# Altium PCB SG1.PcbDoc (part 1 of 3) (continued)
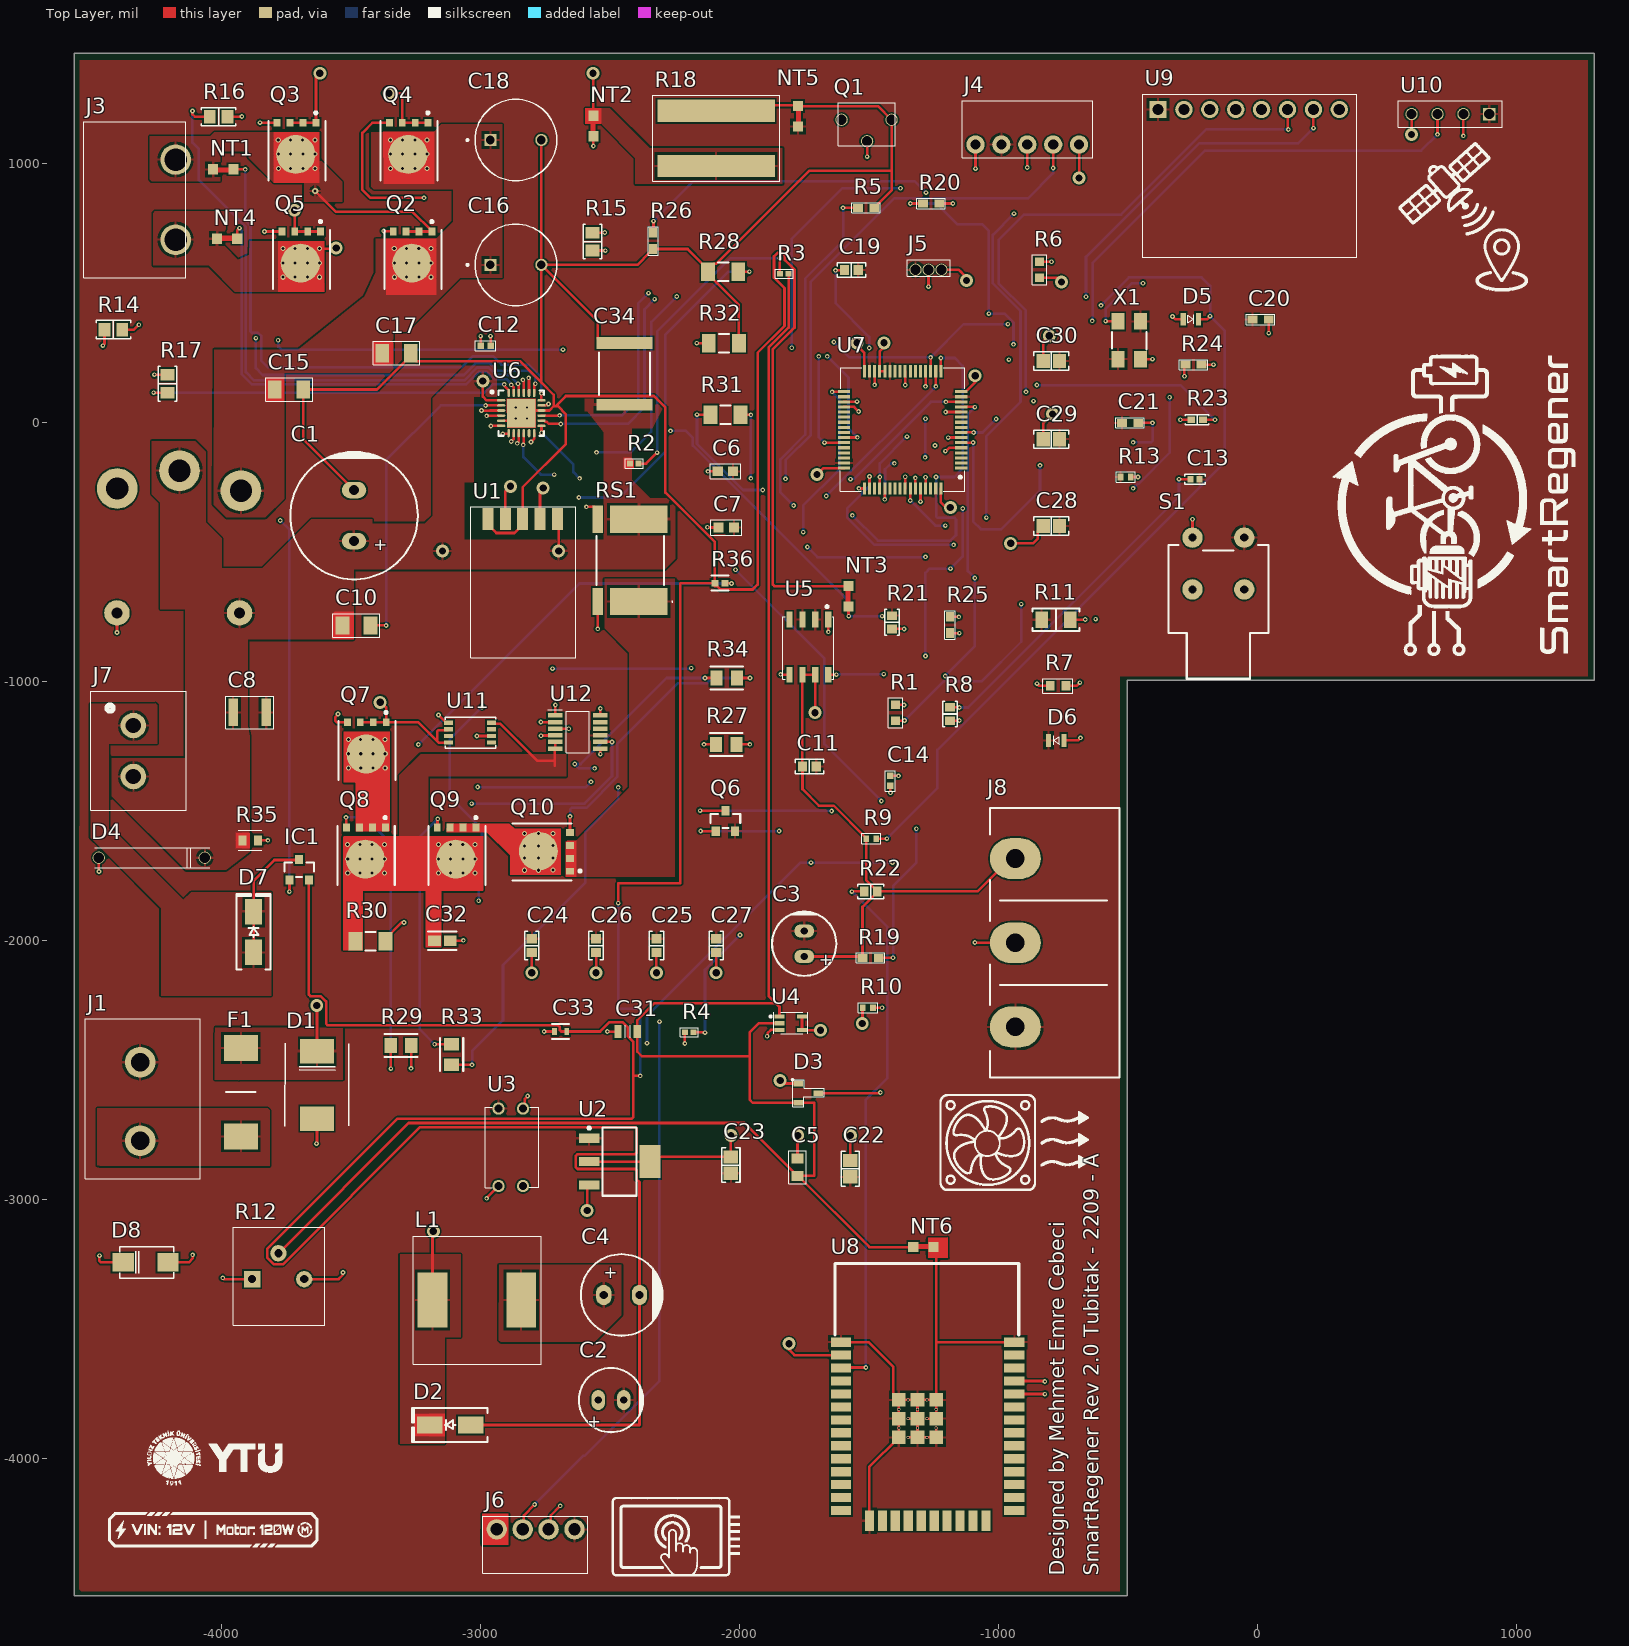
[diagram p0: Top Layer view]
## Footprints (in the part's own frame and the unit in brackets; to place one, negate y for a bottom-side part, rotate by r counter-clockwise, add the part's x,y. Pads: shape width x height; smd on the part's side, far side on the other; paste and mask are expansions set on the pad) (continued)
ECS [mm]
  rect 1.6x1.25 smd mask+0.05: 1(-1.85,-1.1) 2(1.85,-1.1) 3(1.85,1.1) 4(-1.85,1.1)
  silkscreen extent -0.9,-1.7 0.8,1.7, body extent -2.5,-1.6 2.5,1.6, height 0.85
ESP32-32 [mm]
  rect 2x0.9 smd mask+0.05: 1(-8.608,5.555) 2(-8.608,4.285) 3(-8.608,3.015) 4(-8.608,1.745) 5(-8.608,0.475) 6(-8.608,-0.795) 7(-8.608,-2.065) 8(-8.608,-3.335) 9(-8.608,-4.605) 10(-8.608,-5.875) 11(-8.608,-7.145) 12(-8.608,-8.415) 13(-8.608,-9.685) 14(-8.608,-10.955) 25(8.393,-10.955) 26(8.393,-9.685) 27(8.393,-8.415) 28(8.393,-7.145) 29(8.393,-5.875) 30(8.393,-4.605) 31(8.393,-3.335) 32(8.393,-2.065) 33(8.393,-0.795) 34(8.393,0.475) 35(8.393,1.745) 36(8.393,3.015) 37(8.393,4.285) 38(8.393,5.555)
  rect 0.9x2 smd mask+0.05: 15(-5.823,-11.955) 16(-4.553,-11.955) 17(-3.283,-11.955) 18(-2.013,-11.955) 19(-0.743,-11.955) 20(0.527,-11.955) 21(1.797,-11.955) 22(3.067,-11.955) 23(4.337,-11.955) 24(5.607,-11.955)
  rect 1.33x1.33 smd mask+0.05: 39(-2.943,-3.78) 39(-2.943,-1.945) 39(-2.943,-0.11) 39(-1.108,-3.78) 39(-1.108,-1.945) 39(-1.108,-0.11) 39(0.727,-3.78) 39(0.727,-1.945) 39(0.727,-0.11)
  round 0.3 hole 0.2 mask+0.05: 39(-2.943,-2.862) 39(-2.943,-1.027) 39(-2.025,-3.78) 39(-2.025,-1.945) 39(-2.025,-0.11) 39(-1.108,-2.862) 39(-1.108,-1.027) 39(-0.19,-3.78) 39(-0.19,-1.945) 39(-0.19,-0.11) 39(0.727,-2.862) 39(0.727,-1.027)
  silkscreen extent -9.18,6.26 8.82,13.26, body extent -9.08,-12.3 8.82,13.1, height 2.61
HK15F-DC24V-S-K [mm]
  round 4 hole 2.2 mask+0.05: 1(5.225,-6.06) 3(5.005,6.08) 4(6.975,0.05)
  round 2.5 hole 1.1 mask+0.05: 2(-6.975,-6.08) 5(-6.975,5.94)
  silkscreen extent -9.97,-8.56 10.03,8.44, body extent -9.96,-8.06 10.04,7.94, height 2
INA240A1DR [mm]
  rect 1.55x0.6 smd mask+0.05: 1(-2.37,2.025) 2(-2.37,0.755) 3(-2.37,-0.515) 4(-2.37,-1.785) 5(3.03,-1.785) 6(3.03,-0.515) 7(3.03,0.755) 8(3.03,2.025)
  silkscreen extent -3.74,-2.43 3.48,2.57, body extent -2.59,-2.35 3.4,2.56, height 1.75
KRL11050-C-R005-F-T1 [mm]
  rect 11.5x2.2 smd mask+0.05: 1(0,2.7) 2(0,-2.7)
  silkscreen extent -6.24,-4.17 6.24,4.22, body extent -5.48,-2.55 5.52,2.45, height 0.7
LED_0805 [mm] "LTST-C170KRKT, LTST-C171GKT"
  rect 0.5x1.25 smd mask+0.05: 1(-0.749,0) 2(0.749,0)
  silkscreen extent -0.26,-0.45 0.3,0.44, body extent -1,-0.63 1,0.62, height 1.1
LM2596 [mm] "LM2596 SIMPLE SWITCHER® Power Converter 150-kHz / 3-A Step-Down Voltage Regulator"
  rect 2.16x1.07 smd mask+0.05: 1(0,3.4) 2(0,1.7) 3(0,0) 4(0,-1.7) 5(0,-3.4)
  silkscreen extent -1.2,-5.1 13.6,5.2, body extent -0.84,-5.03 13.52,5.13, height 4.65
LMT86DCKT [mm]
  rect 0.95x0.4 smd mask+0.05: 1(-1.1,0.65) 2(-1.1,0) 3(-1.1,-0.65) 4(1.1,-0.65) 5(1.1,0.65)
  silkscreen extent -2.07,-1.05 1.67,1.07, body extent -0.97,-0.96 1.13,1.04, height 1.1
MPU6050 [mm]
  round 1.7 hole 1.1 paste-2539.97 mask+0.05: 1(0,8.89) 2(0,6.35) 3(0,3.81) 4(0,1.27) 5(0,-1.27) 6(0,-3.81) 7(0,-6.35)
  rect 1.7x1.7 hole 1.1 paste-2539.97 mask+0.05: 8(0,-8.89)
  silkscreen extent -1.5,-10.42 14.5,10.59, body extent -1.29,-10.13 1.21,10.3, height 5.48
MSOP-8 [mm] "LTC4359IMS8#PBF"
  rect 0.889x0.42 smd paste-2539.97 mask+0.05: 1(-2.105,0.975) 2(-2.105,0.325) 3(-2.105,-0.325) 4(-2.105,-0.975) 5(2.105,-0.975) 6(2.105,-0.325) 7(2.105,0.325) 8(2.105,0.975)
  silkscreen extent -2.45,-1.52 2.51,1.52, body extent -2.42,-1.47 2.48,1.53, height 1.15
MSOP-12 [mm] "LT4363IMS-2#PBF"
  rect 1.425x0.45 smd: 1(-2.187,1.625) 2(-2.187,0.975) 3(-2.187,0.325) 4(-2.187,-0.325) 5(-2.187,-0.975) 6(-2.187,-1.625) 7(2.237,-1.625) 8(2.237,-0.975) 9(2.237,-0.325) 10(2.237,0.325) 11(2.237,0.975) 12(2.237,1.625)
  silkscreen extent -2.9,-2.02 1.18,2.2, body extent -2.42,-2.02 2.48,2.02, height 0.93
"Neo - 7M" [mm]
  round 1.2 hole 1 mask+0.05: 1(0,3.81) 2(0,1.27) 3(0,-1.27)
  rect 1.2x1.2 hole 1 mask+0.05: 4(0,-3.81)
  silkscreen extent -1.3,-5.1 1.3,5.1, body extent -1.27,-5.08 1.27,5.08, height 6
Net-Tie [mm]
  rect 1x1 smd mask+0.05: 1(0,0) 2(2,0)
  Top Layer region: 0.2,-0.2 1.8,-0.2 1.8,0.3 0.2,0.3
Nextion [mm]
  round 2 hole 1.2 mask+0.05: 1(-3.81,0) 2(-1.27,0) 3(1.27,0) 4(3.81,0)
  silkscreen extent -5.2,-4.3 5.1,1.3, body extent -5.12,-4.25 5.05,1.25, height 4.82
"NKK AB11AH-HA" [mm]
  round 2 hole 0.8: 1(2.54,-5.08) 2(2.54,0) 3(-2.54,-5.08) 4(-2.54,0)
  silkscreen extent -4.9,-4.34 4.9,8.76, body extent -4.9,-5.39 4.9,15.08, height 7.06
PC817 [mm]
  round 1.2 hole 0.8 mask+0.05: 1(-3.8,1.2) 2(-3.8,-1.2) 3(3.8,-1.2) 4(3.8,1.2)
  silkscreen extent -3.95,-2.51 3.94,2.73, body extent -3.94,-2.2 3.94,2.4, height 4.3
"RCAP, 8x20mm -EEU-FR1V471LB" [mm] "RCAP, 8x20mm - Panasonic"
  round 1.2 hole 0.85 mask+0.05: N(2.5,0)
  rect 1.2x1.2 hole 0.85 mask+0.05: P(-2.5,0)
  silkscreen extent -4.85,-4 4,4, body extent -4,-3.99 4,3.99, height 20
RES0402 [mm] "Chip Resistor, 2-Leads, Body 1,00x0,50mm, IPC Medium Density  CRCW040213K3FKED, CRCW04021K00JNED, CRCW04021K00FKED"
  rect 0.6x0.55 smd mask+0.05: 1(-0.425,0) 2(0.425,0)
  silkscreen extent -0.9,-0.44 0.89,0.45, body extent -0.53,-0.27 0.53,0.28, height 0.4
"RES0402 - ERJ-2RKF1002X" [mm] "Chip Resistor, 2-Leads, Body 1,00x0,50mm, IPC Medium Density"
  rect 0.55x0.65 smd mask+0.05: 1(-0.5,0) 2(0.5,0)
  silkscreen extent -0.95,-0.5 0.94,0.5, body extent -0.47,-0.22 0.48,0.23, height 0.4
"RES0603- RC0603FR-07330RL" [mm] "Chip Resistor, 2-Leads, Body 1,60x0,80mm, IPC Medium Density"
  rect 0.85x0.9 smd mask+0.05: 1(-0.775,0) 2(0.775,0)
  silkscreen extent -1.48,-0.71 1.46,0.7, body extent -0.85,-0.45 0.85,0.45, height 0.55
"RES 0402" [mm]
  rect 0.668x0.672 smd paste+0 mask+0: 1(-0.482,0.05) 2(0.522,0.05)
  silkscreen extent -0.82,-0.69 0.86,0.79, body extent -1.02,-0.49 1.06,0.59, height 0.25
"RES 0402_1005" [mm] "Chip Resistor, 2-Leads, Body 1.0x0.5mm, IPC Medium Density"
  rect 0.75x0.6 smd: 1(-0.575,0) 2(0.575,0)
  silkscreen extent -1.14,-0.51 1.14,0.51, body extent -0.5,-0.25 0.5,0.25, height 0.35
"RES 0603" [mm]
  rect 0.8x1 smd: 1(-0.775,-0.025) 2(0.725,-0.025)
  silkscreen extent -1.17,-1 1.14,0.94, body extent -0.88,-0.48 0.82,0.42, height 0.55
"RES 0603_1608" [mm] "Chip Resistor, 2-Leads, Body 1.60x0.80mm, IPC Medium Density"
  rect 0.85x0.95 smd: 1(-0.65,0) 2(0.65,0)
  silkscreen extent -1.27,-0.7 1.27,0.7, body extent -0.8,-0.4 0.8,0.4, height 0.45
"RES 0805_2012" [mm] "Chip Resistor, 2-Leads, Body 2.00x1.25mm, IPC Medium Density"
  rect 1.15x1.35 smd: 1(-0.875,0) 2(0.875,0)
  silkscreen extent -1.7,-0.9 1.7,0.9, body extent -1,-0.62 1,0.63, height 0.6
"RES 1206" [mm]
  rect 1.356x1.808 smd paste+0 mask+0: 1(-1.496,0.01) 2(1.456,0.01)
  silkscreen extent -0.52,-0.89 0.48,0.91, body extent -2.67,-1.39 2.63,1.41, height 0.25
"RES 1206_3216" [mm] "Chip Resistor, 2-Leads, Body 3.13x1.55mm, IPC Medium Density"
  rect 1.2x1.65 smd: 1(-1.4,0) 2(1.4,0)
  silkscreen extent -2.3,-1.1 2.3,1.1, body extent -1.6,-0.8 1.6,0.8, height 0.6
RES_0603 [mil]
  rect 38x31 smd mask+1.97: 1(-31.5,0) 2(31.5,0)
  silkscreen extent -55,-20 55,20, body extent -39,-19 39,20, height 17
SF-3812F6000T-2 [mm] "SF-3812F6000T-2"
  rect 2.55x3.32 smd: 1(-4.33,0) 2(4.33,0)
  silkscreen extent 0,-1.45 0,1.45, body extent -5.1,-1.52 5,1.58, height 3.05
"SMA (DO-214AC)" [mm] "SMAJ24A"
  rect 2.1x1.8 smd paste-2539.97 mask+0.05: 1(-2.2,0) 2(2.2,0)
  silkscreen extent -2.54,-1.57 2.77,1.55, body extent -2.5,-1.37 2.7,1.53, height 2.3
"SMC (DO-214AB)" [mm] "SMDJ20A"
  rect 2.4x3.3 smd paste-2539.97 mask+0.05: 1(-3.3,0) 2(3.3,0)
  silkscreen extent -4.06,-3.15 4.04,3.12, body extent -4.07,-3.07 3.93,3.13, height 2.5
"SON 5X6" [mm]
  rect 0.75x0.675 smd paste-1000 mask+0: 1(-2.94,1.807) 2(-2.94,0.537) 3(-2.94,-0.733) 4(-2.94,-2.003)
  round 3.821 smd paste-1000 mask+0: 5-6-7-8(0.162,-0.168)
  Top Layer region: -2.01,2.144 2.94,2.144 2.94,1.469 2.285,1.469 2.285,0.874 2.94,0.874 2.94,0.199 2.285,0.199 2.285,-0.396 2.94,-0.396 2.94,-1.071 2.285,-1.071 2.285,-1.666 2.94,-1.666 2.94,-2.341 -2.01,-2.341 -2.01,2.144
  silkscreen extent -4.04,-2.87 2.71,2.72, body extent -3.26,-2.55 2.74,2.35, height 1.1
SOT223 [mm] "SOT223, 4-Leads, Body 6,50x7,00mm (avg), Pitch 2,29mm, IPC Medium Density"
  rect 2.05x0.9 smd: 1(-2.975,2.29) 2(-2.975,0) 3(-2.975,-2.29)
  rect 2.05x3.25 smd: 4(2.975,0)
  silkscreen extent -3.1,-3.35 1.65,3.41, body extent -1.85,-3.35 1.85,3.35, height 1.8
"SOT-23-3 - MMBD7000LT1G" [mm]
  rect 0.56x0.95 smd mask+0.05: 1(0,0) 2(1.9,0) 3(0.95,1.95)
  silkscreen extent -0.47,-0.67 2.26,2.53, body extent -0.55,-0.21 2.45,2.29, height 1.19
SR0805FR-7W10RL [mil]
  rect 47.56x57.56 smd paste+0 mask+0: 1(-39.45,0) 2(39.45,0)
  silkscreen extent -63,-45 63,45, body extent -83,-48 83,48, height 10
SR_4026 [mm]
  rect 2.67x5.66 smd: 1(-4.035,-2.007) 2(4.035,-2.007)
  rect 2.67x0.99 smd: 3(4.035,2.008) 4(-4.035,2.008)
  silkscreen extent -4.08,-5.37 2.4,2.13, body extent -5.1,-4.29 5,2.31, height 2.94
ST-LİNK [mm]
  round 1.8 hole 1 mask+0.05: 1(-5.08,0) 2(-2.54,0) 3(0,0) 4(2.54,0) 5(5.08,0)
  silkscreen extent -6.4,-4.3 6.4,1.3, body extent -6.31,-4.25 6.4,1.25, height 5.32
STM32G474RET6 [mm]
  rect 0.3x1.2 smd mask+0.05: 1(-3.75,-5.75) 2(-3.25,-5.75) 3(-2.75,-5.75) 4(-2.25,-5.75) 5(-1.75,-5.75) 6(-1.25,-5.75) 7(-0.75,-5.75) 8(-0.25,-5.75) 9(0.25,-5.75) 10(0.75,-5.75) 11(1.25,-5.75) 12(1.75,-5.75) 13(2.25,-5.75) 14(2.75,-5.75) 15(3.25,-5.75) 16(3.75,-5.75) 33(3.75,5.75) 34(3.25,5.75) 35(2.75,5.75) 36(2.25,5.75) 37(1.75,5.75) 38(1.25,5.75) 39(0.75,5.75) 40(0.25,5.75) 41(-0.25,5.75) 42(-0.75,5.75) 43(-1.25,5.75) 44(-1.75,5.75) 45(-2.25,5.75) 46(-2.75,5.75) 47(-3.25,5.75) 48(-3.75,5.75)
  rect 1.2x0.3 smd mask+0.05: 17(5.75,-3.75) 18(5.75,-3.25) 19(5.75,-2.75) 20(5.75,-2.25) 21(5.75,-1.75) 22(5.75,-1.25) 23(5.75,-0.75) 24(5.75,-0.25) 25(5.75,0.25) 26(5.75,0.75) 27(5.75,1.25) 28(5.75,1.75) 29(5.75,2.25) 30(5.75,2.75) 31(5.75,3.25) 32(5.75,3.75) 49(-5.75,3.75) 50(-5.75,3.25) 51(-5.75,2.75) 52(-5.75,2.25) 53(-5.75,1.75) 54(-5.75,1.25) 55(-5.75,0.75) 56(-5.75,0.25) 57(-5.75,-0.25) 58(-5.75,-0.75) 59(-5.75,-1.25) 60(-5.75,-1.75) 61(-5.75,-2.25) 62(-5.75,-2.75) 63(-5.75,-3.25) 64(-5.75,-3.75)
  silkscreen extent -6.06,-6.1 6.08,6.1, body extent -5.99,-6.01 6.01,5.99, height 1.6
"TB 2pin" [mm]
  round 3 hole 1.8 mask+0.05: 1(-3.85,0) 2(3.85,0)
  silkscreen extent -7.6,-5.9 8.1,5.4, body extent -7.53,-5.87 8.07,5.33, height 18
"TB - 2PİN- MOT" [mm]
  round 3 hole 2.2 mask+0.05: 1(-3.929,0) 2(3.929,0)
  silkscreen extent -7.63,-9 7.67,1, body extent -7.64,-9 7.6,1, height 10.4
"TE 4DB-P108-03" [mm] "Assembly, Dual Barrier 4DB P108"
  oval 4x5 hole 1.829: 1(-8.255,-3.85) 2(0,-3.85) 3(8.256,-3.85)
  silkscreen extent -13.23,-6.35 13.23,6.35, body extent -13.21,-6.35 13.21,6.35, height 14.47

## Part data
C1: library part EEU-FC1H681L, "CAP ALUM 680UF 20% 50V RADIAL", Device Package="Radial, Can", Lifetime @ Temp.="5000 Hrs @ 105°C", Manufacturer="Panasonic Electronic Components", Operating Temperature="-55°C ~ 105°C", Ratings=AEC-Q200, Ripple Current @ High Frequency="2.215A @ 100kHz", Ripple Current @ Low Frequency="1.661A @ 120Hz", Supplier Part Number 1=P10330-ND, Tolerance=±20%, Voltage - Rated=50V, Applications=Automotive, Capacitance=680µF, ComponentLink1Description=Datasheet, ComponentLink1URL=http://industrial.panasonic.com/www-cgi/jvcr13pz.cgi?E+PZ+3+ABA0022+EEUFC1H681L+7+WW, ComponentLink2Description="DigiKey Link", ComponentLink2URL=http://digikey.com/product-detail/en/panasonic-electronic-components/EEU-FC1H681L/P10330-ND/266339, Height - Seated (Max)="1.181\" (30.00mm)", lastupdated="2.09.2020 01:32:17", Lead Spacing="0.197\" (5.00mm)", Lifecycle Status=Active, Minimum Order=1, Mounting Type="Through Hole", Package / Case="Radial, Can", Packaging=Bulk, Part Number=EEU-FC1H681L, Part Status=Active, PartId=15369, Polarization=Polar, price=1.02, Series=FC, Size / Dimension="0.492\" Dia (12.50mm)", Supplier 1=DigiKey, Impedance="40 mOhms"
C2: library part UMF1C470MDD, "CAP ALUM 47UF 20% 16V RADIAL", Device Package="Radial, Can", Lifetime @ Temp.="1000 Hrs @ 105°C", Manufacturer=Nichicon, Operating Temperature="-55°C ~ 105°C", Ripple Current @ High Frequency="115mA @ 100kHz", Ripple Current @ Low Frequency="57.5mA @ 120Hz", Supplier Part Number 1=493-15537-ND, Tolerance=±20%, Voltage - Rated=16V, Applications="General Purpose", Capacitance=47µF, ComponentLink1Description=Datasheet, ComponentLink1URL=http://nichicon-us.com/english/products/pdfs/e-umf.pdf, ComponentLink2Description="DigiKey Link", ComponentLink2URL=http://digikey.com/product-detail/en/nichicon/UMF1C470MDD/493-15537-ND/2598659, Height - Seated (Max)="0.236\" (6.00mm)", lastupdated="4.09.2020 01:05:49", Lead Spacing="0.098\" (2.50mm)", Lifecycle Status=Active, Minimum Order=1, Mounting Type="Through Hole", Package / Case="Radial, Can", Packaging=Bulk, Part Number=UMF1C470MDD, Part Status=Active, PartId=20736, Polarization=Polar, price=0.43, Series=UMF, Size / Dimension="0.248\" Dia (6.30mm)", Supplier 1=DigiKey, Impedance="1.3 Ohms"
C3: library part UES1C220MEM1TD, "CAP ALUM 22UF 20% 16V RADIAL", Device Package="Radial, Can", Lifetime @ Temp.="1000 Hrs @ 85°C", Manufacturer=Nichicon, Operating Temperature="-40°C ~ 85°C", Supplier Part Number 1=493-10818-1-ND, Tolerance=±20%, Voltage - Rated=16V, Applications=Audio, Capacitance=22µF, ComponentLink1Description=Datasheet, ComponentLink1URL=http://nichicon-us.com/english/products/pdfs/e-ues.pdf, ComponentLink2Description="DigiKey Link", ComponentLink2URL=http://digikey.com/product-detail/en/nichicon/UES1C220MEM1TD/493-10818-1-ND/4317793, Height - Seated (Max)="0.472\" (12.00mm)", lastupdated="4.09.2020 01:05:44", Lead Spacing="0.098\" (2.50mm)", Lifecycle Status=Active, Minimum Order=1, Mounting Type="Through Hole", Package / Case="Radial, Can", Packaging=TapeAndBox, Part Number=UES1C220MEM1TD, Part Status=Active, PartId=20107, Polarization=Bi-Polar, price=0.13, Series=UES, Size / Dimension="0.248\" Dia (6.30mm)", Supplier 1=DigiKey
C4: library part ESW227M025AG3AA, "CAP ALUM 220UF 20% 25V RADIAL", Device Package="Radial, Can", ESR (Equivalent Series Resistance)="130mOhm @ 100kHz", Lifetime @ Temp.="4000 Hrs @ 105°C", Manufacturer=KEMET, Operating Temperature="-40°C ~ 105°C", Ripple Current @ High Frequency="640 mA @ 100 kHz", Ripple Current @ Low Frequency="320 mA @ 120 Hz", Supplier Part Number 1=399-6112-ND, Tolerance=±20%, Voltage - Rated="25 V", Applications="General Purpose", Capacitance="220 µF", ComponentLink1Description=Datasheet, ComponentLink1URL=https://api.kemet.com/component-edge/download/datasheet/ESW227M025AG3AA.pdf, ComponentLink2Description="DigiKey Link", ComponentLink2URL=https://www.digikey.com/en/products/detail/kemet/ESW227M025AG3AA/2712542, Height - Seated (Max)="0.492\" (12.50mm)", lastupdated="3.06.2024 20:06:12", Lead Spacing="0.138\" (3.50mm)", Lifecycle Status=Active, Minimum Order=1, Mounting Type="Through Hole", Package / Case="Radial, Can", Packaging=Bulk, Part Number=ESW227M025AG3AA, Part Status=Active, PartId=7223, Polarization=Polar, price=0.10, Series=ESW, Size / Dimension="0.315\" Dia (8.00mm)", Supplier 1=DigiKey, Impedance="117 mOhms"
C5: library part GRM188R70J103KA01D, "CAP CER 10000PF 6.3V X7R 0603", Capacitance="10000 pF", Manufacturer=Murata, Package / Case="0603 (1608 Metric)", Tolerance=±10%, Voltage - Rated=6.3V
C6 C7: library part GRM188R60J105KA01D, "0603 1 uF 6.3 V ±10% Tolerance X5R SMT Multilayer Ceramic Capacitor", Case Code (Metric)=1608, Case Code (Imperial)=0603, Dielectric=X5R, Dielectric Material=Ceramic, Manufacturer=Murata, Manufacturer Lifecycle Status=NRND, Max Operating Temperature=85°C, Min Operating Temperature=-55°C, Supplier Part Number=7369507, Tolerance=10%, Voltage=6.3V, Insulation Resistance=500MΩ, Case/Package=0603, Category="Ceramic Capacitors", ComponentLink1Description=https://datasheet.octopart.com:443/GRM188R60J105KA01D-Murata-datasheet-7599024.pdf?src-supplier=Newark, ComponentLink1URL=https://datasheet.octopart.com:443/GRM188R60J105KA01D-Murata-datasheet-7599024.pdf?src-supplier=Newark, ComponentLink2Description=https://datasheet.octopart.com:443/GRM188R60J105KA01D-Murata-datasheet-101584256.pdf?src-supplier=element14+APAC, ComponentLink2URL=https://datasheet.octopart.com:443/GRM188R60J105KA01D-Murata-datasheet-101584256.pdf?src-supplier=element14+APAC, ComponentLink3Description=https://datasheet.octopart.com:443/GRM188R60J105KA01D-Murata-datasheet-49135294.pdf?src-supplier=element14+APAC, ComponentLink3URL=https://datasheet.octopart.com:443/GRM188R60J105KA01D-Murata-datasheet-49135294.pdf?src-supplier=element14+APAC, ComponentLink4Description=https://datasheet.octopart.com:443/GRM188R60J105KA01D-Murata-datasheet-165579666.pdf?src-supplier=TME, ComponentLink4URL=https://datasheet.octopart.com:443/GRM188R60J105KA01D-Murata-datasheet-165579666.pdf?src-supplier=TME, ComponentLink5Description=https://datasheet.octopart.com:443/GRM188R60J105KA01D-Murata-datasheet-59876780.pdf?src-supplier=TME, ComponentLink5URL=https://datasheet.octopart.com:443/GRM188R60J105KA01D-Murata-datasheet-59876780.pdf?src-supplier=TME, ComponentLink6Description=https://datasheet.octopart.com:443/GRM188R60J105KA01D-Murata-datasheet-140704005.pdf?src-supplier=Ciiva, ComponentLink6URL=https://datasheet.octopart.com:443/GRM188R60J105KA01D-Murata-datasheet-140704005.pdf?src-supplier=Ciiva, ComponentLink7Description=https://datasheet.octopart.com:443/GRM188R60J105KA01D-Murata-datasheet-138742778.pdf?src-supplier=Ciiva, ComponentLink7URL=https://datasheet.octopart.com:443/GRM188R60J105KA01D-Murata-datasheet-138742778.pdf?src-supplier=Ciiva, ComponentLink8Description=https://datasheet.octopart.com:443/GRM188R60J105KA01D-Murata-datasheet-102370999.pdf?src-supplier=Future+Electronics, ComponentLink8URL=https://datasheet.octopart.com:443/GRM188R60J105KA01D-Murata-datasheet-102370999.pdf?src-supplier=Future+Electronics, ComponentLink9Description=https://datasheet.octopart.com:443/GRM188R60J105KA01D-Murata-datasheet-22122223.pdf?src-supplier=Future+Electronics, ComponentLink9URL=https://datasheet.octopart.com:443/GRM188R60J105KA01D-Murata-datasheet-22122223.pdf?src-supplier=Future+Electronics, ComponentLink10Description=https://datasheet.octopart.com:443/GRM188R60J105KA01D-Murata-datasheet-14400986.pdf?src-supplier=Future+Electronics, ComponentLink10URL=https://datasheet.octopart.com:443/GRM188R60J105KA01D-Murata-datasheet-14400986.pdf?src-supplier=Future+Electronics, ComponentLink11Description=https://datasheet.octopart.com:443/GRM188R60J105KA01D-Murata-datasheet-44107491.pdf?src-supplier=Future+Electronics, ComponentLink11URL=https://datasheet.octopart.com:443/GRM188R60J105KA01D-Murata-datasheet-44107491.pdf?src-supplier=Future+Electronics, ComponentLink12Description=https://datasheet.octopart.com/GRM188R60J105KA01D-Murata-datasheet-12515295.pdf, ComponentLink12URL=https://datasheet.octopart.com/GRM188R60J105KA01D-Murata-datasheet-12515295.pdf, ComponentLink13Description=https://datasheet.octopart.com/GRM188R60J105KA01D-Murata-datasheet-12510076.pdf, ComponentLink13URL=https://datasheet.octopart.com/GRM188R60J105KA01D-Murata-datasheet-12510076.pdf, ComponentLink14Description=https://datasheet.octopart.com/GRM188R60J105KA01D-Murata-datasheet-11978611.pdf, ComponentLink14URL=https://datasheet.octopart.com/GRM188R60J105KA01D-Murata-datasheet-11978611.pdf, ComponentLink15Description=https://datasheet.octopart.com/GRM188R60J105KA01D-Murata-datasheet-10025737.pdf, ComponentLink15URL=https://datasheet.octopart.com/GRM188R60J105KA01D-Murata-datasheet-10025737.pdf, ComponentLink16Description=https://datasheet.octopart.com/GRM188R60J105KA01D-Murata-datasheet-8819587.pdf, ComponentLink16URL=https://datasheet.octopart.com/GRM188R60J105KA01D-Murata-datasheet-8819587.pdf, ComponentLink17Description=https://datasheet.octopart.com/GRM188R60J105KA01D-Murata-datasheet-14401024.pdf, ComponentLink17URL=https://datasheet.octopart.com/GRM188R60J105KA01D-Murata-datasheet-14401024.pdf, ComponentLink18Description=https://datasheet.octopart.com:443/GRM188R60J105KA01D-Murata-datasheet-102.pdf?src-supplier=DigiKey, ComponentLink18URL=https://datasheet.octopart.com:443/GRM188R60J105KA01D-Murata-datasheet-102.pdf?src-supplier=DigiKey, ComponentLink19Description=https://datasheet.octopart.com:443/GRM188R60J105KA01D-Murata-datasheet-112596.pdf?src-supplier=Sierra+IC, ComponentLink19URL=https://datasheet.octopart.com:443/GRM188R60J105KA01D-Murata-datasheet-112596.pdf?src-supplier=Sierra+IC, ComponentLink20Description=https://datasheet.octopart.com:443/GRM188R60J105KA01D-Murata-datasheet-516848.pdf?src-supplier=Farnell, ComponentLink20URL=https://datasheet.octopart.com:443/GRM188R60J105KA01D-Murata-datasheet-516848.pdf?src-supplier=Farnell, ComponentLink21Description=http://sigma.octopart.com:80/reach_statement/Murata-company-16.pdf?src-supplier=Compliance+Statements, ComponentLink21URL=http://sigma.octopart.com:80/reach_statement/Murata-company-16.pdf?src-supplier=Compliance+Statements, Depth=800µm, Height=800µm, Lead Free="Lead Free", Length=1.6mm, Lifecycle Status=NRND, Manufacturer Part Number=GRM188R60J105KA01D, Material=Ceramic, Mounting Technology="Surface Mount", Number of Terminals=2, Pins=2, Pricing="4000=0,0061, 16000=0,0059, 40000=0,0057, 100000=0,0056, 160000=0,0054 (USD)", Radiation Hardening=No, REACH SVHC=Yes, RoHS=Compliant, Schedule B="8532240020, 8532240020|8532240020, 8532240020|8532240020|8532240020, 8532240020|8532240020|8532240020|8532240020", Stock=12000, Supplier="Future Electronics", Termination=SMD/SMT, Thickness=800µm, Voltage Rating=6.3V, Voltage Rating (DC)=6.3V, Width=800µm
C8: library part GRM32ER71H106KA12L, "50V 10uF X7R ±10% 1210 Multilayer Ceramic Capacitors MLCC - SMD/SMT ROHS", Case Code (Metric)=3225, Case Code (Imperial)=1210, Dielectric=X7R, Dielectric Material=Ceramic, Manufacturer=Murata, Max Operating Temperature=125°C, Min Operating Temperature=-55°C, Tolerance=10%, Voltage=50V, Case/Package=1210, Category="Ceramic Capacitors", ComponentLink1Description=https://datasheet.octopart.com:443/GRM32ER71H106KA12L-Murata-datasheet-182093906.pdf?src-supplier=IHS, ComponentLink1URL=https://datasheet.octopart.com:443/GRM32ER71H106KA12L-Murata-datasheet-182093906.pdf?src-supplier=IHS, ComponentLink2Description=https://datasheet.octopart.com:443/GRM32ER71H106KA12L-Murata-datasheet-22975648.pdf?src-supplier=Newark, ComponentLink2URL=https://datasheet.octopart.com:443/GRM32ER71H106KA12L-Murata-datasheet-22975648.pdf?src-supplier=Newark, ComponentLink3Description=https://datasheet.octopart.com:443/GRM32ER71H106KA12L-Murata-datasheet-62317418.pdf?src-supplier=element14+APAC, ComponentLink3URL=https://datasheet.octopart.com:443/GRM32ER71H106KA12L-Murata-datasheet-62317418.pdf?src-supplier=element14+APAC, ComponentLink4Description=https://datasheet.octopart.com/GRM32ER71H106KA12L-Murata-datasheet-12515295.pdf, ComponentLink4URL=https://datasheet.octopart.com/GRM32ER71H106KA12L-Murata-datasheet-12515295.pdf, ComponentLink5Description=https://datasheet.octopart.com/GRM32ER71H106KA12L-Murata-datasheet-12510076.pdf, ComponentLink5URL=https://datasheet.octopart.com/GRM32ER71H106KA12L-Murata-datasheet-12510076.pdf, ComponentLink6Description=https://datasheet.octopart.com/GRM32ER71H106KA12L-Murata-datasheet-11978611.pdf, ComponentLink6URL=https://datasheet.octopart.com/GRM32ER71H106KA12L-Murata-datasheet-11978611.pdf, ComponentLink7Description=https://datasheet.octopart.com/GRM32ER71H106KA12L-Murata-datasheet-10025737.pdf, ComponentLink7URL=https://datasheet.octopart.com/GRM32ER71H106KA12L-Murata-datasheet-10025737.pdf, ComponentLink8Description=https://datasheet.octopart.com/GRM32ER71H106KA12L-Murata-datasheet-8819587.pdf, ComponentLink8URL=https://datasheet.octopart.com/GRM32ER71H106KA12L-Murata-datasheet-8819587.pdf, ComponentLink9Description=https://datasheet.octopart.com/GRM32ER71H106KA12L-Murata-datasheet-12553172.pdf, ComponentLink9URL=https://datasheet.octopart.com/GRM32ER71H106KA12L-Murata-datasheet-12553172.pdf, ComponentLink10Description=https://datasheet.octopart.com:443/GRM32ER71H106KA12L-Murata-datasheet-83187960.pdf?src-supplier=TME, ComponentLink10URL=https://datasheet.octopart.com:443/GRM32ER71H106KA12L-Murata-datasheet-83187960.pdf?src-supplier=TME, ComponentLink11Description=https://datasheet.octopart.com:443/GRM32ER71H106KA12L-Murata-datasheet-22122223.pdf?src-supplier=Future+Electronics, ComponentLink11URL=https://datasheet.octopart.com:443/GRM32ER71H106KA12L-Murata-datasheet-22122223.pdf?src-supplier=Future+Electronics, ComponentLink12Description=https://datasheet.octopart.com:443/GRM32ER71H106KA12L-Murata-datasheet-44109769.pdf?src-supplier=Future+Electronics, ComponentLink12URL=https://datasheet.octopart.com:443/GRM32ER71H106KA12L-Murata-datasheet-44109769.pdf?src-supplier=Future+Electronics, ComponentLink13Description=http://sigma.octopart.com:80/reach_statement/Murata-company-16.pdf?src-supplier=Compliance+Statements, ComponentLink13URL=http://sigma.octopart.com:80/reach_statement/Murata-company-16.pdf?src-supplier=Compliance+Statements, Depth=2.5mm, Height=2.5mm, Lead Free="Lead Free", Length=3.2mm, Lifecycle Status=Production, Manufacturer Part Number=GRM32ER71H106KA12L, Material=Ceramic, Mounting Technology="Surface Mount", Number of Terminals=2, Packaging="Cut Tape", Pricing="1000=0,294, 2000=0,286, 3000=0,279, 4000=0,276, 5000=0,269, 10000=0,266 (USD)", Radiation Hardening=No, REACH SVHC=Yes, RoHS=Compliant, Schedule B="8532240020, 8532240020|8532240020|8532240020|8532240020|8532240020", Stock=87000, Supplier="Arrow Electronics", Supplier Part Number=GRM32ER71H106KA12L, Termination=SMD/SMT, Voltage Rating=50V, Voltage Rating (DC)=50V, Width=2.5mm